# KiCad board led_mapper_850.kicad_pcb (continued)
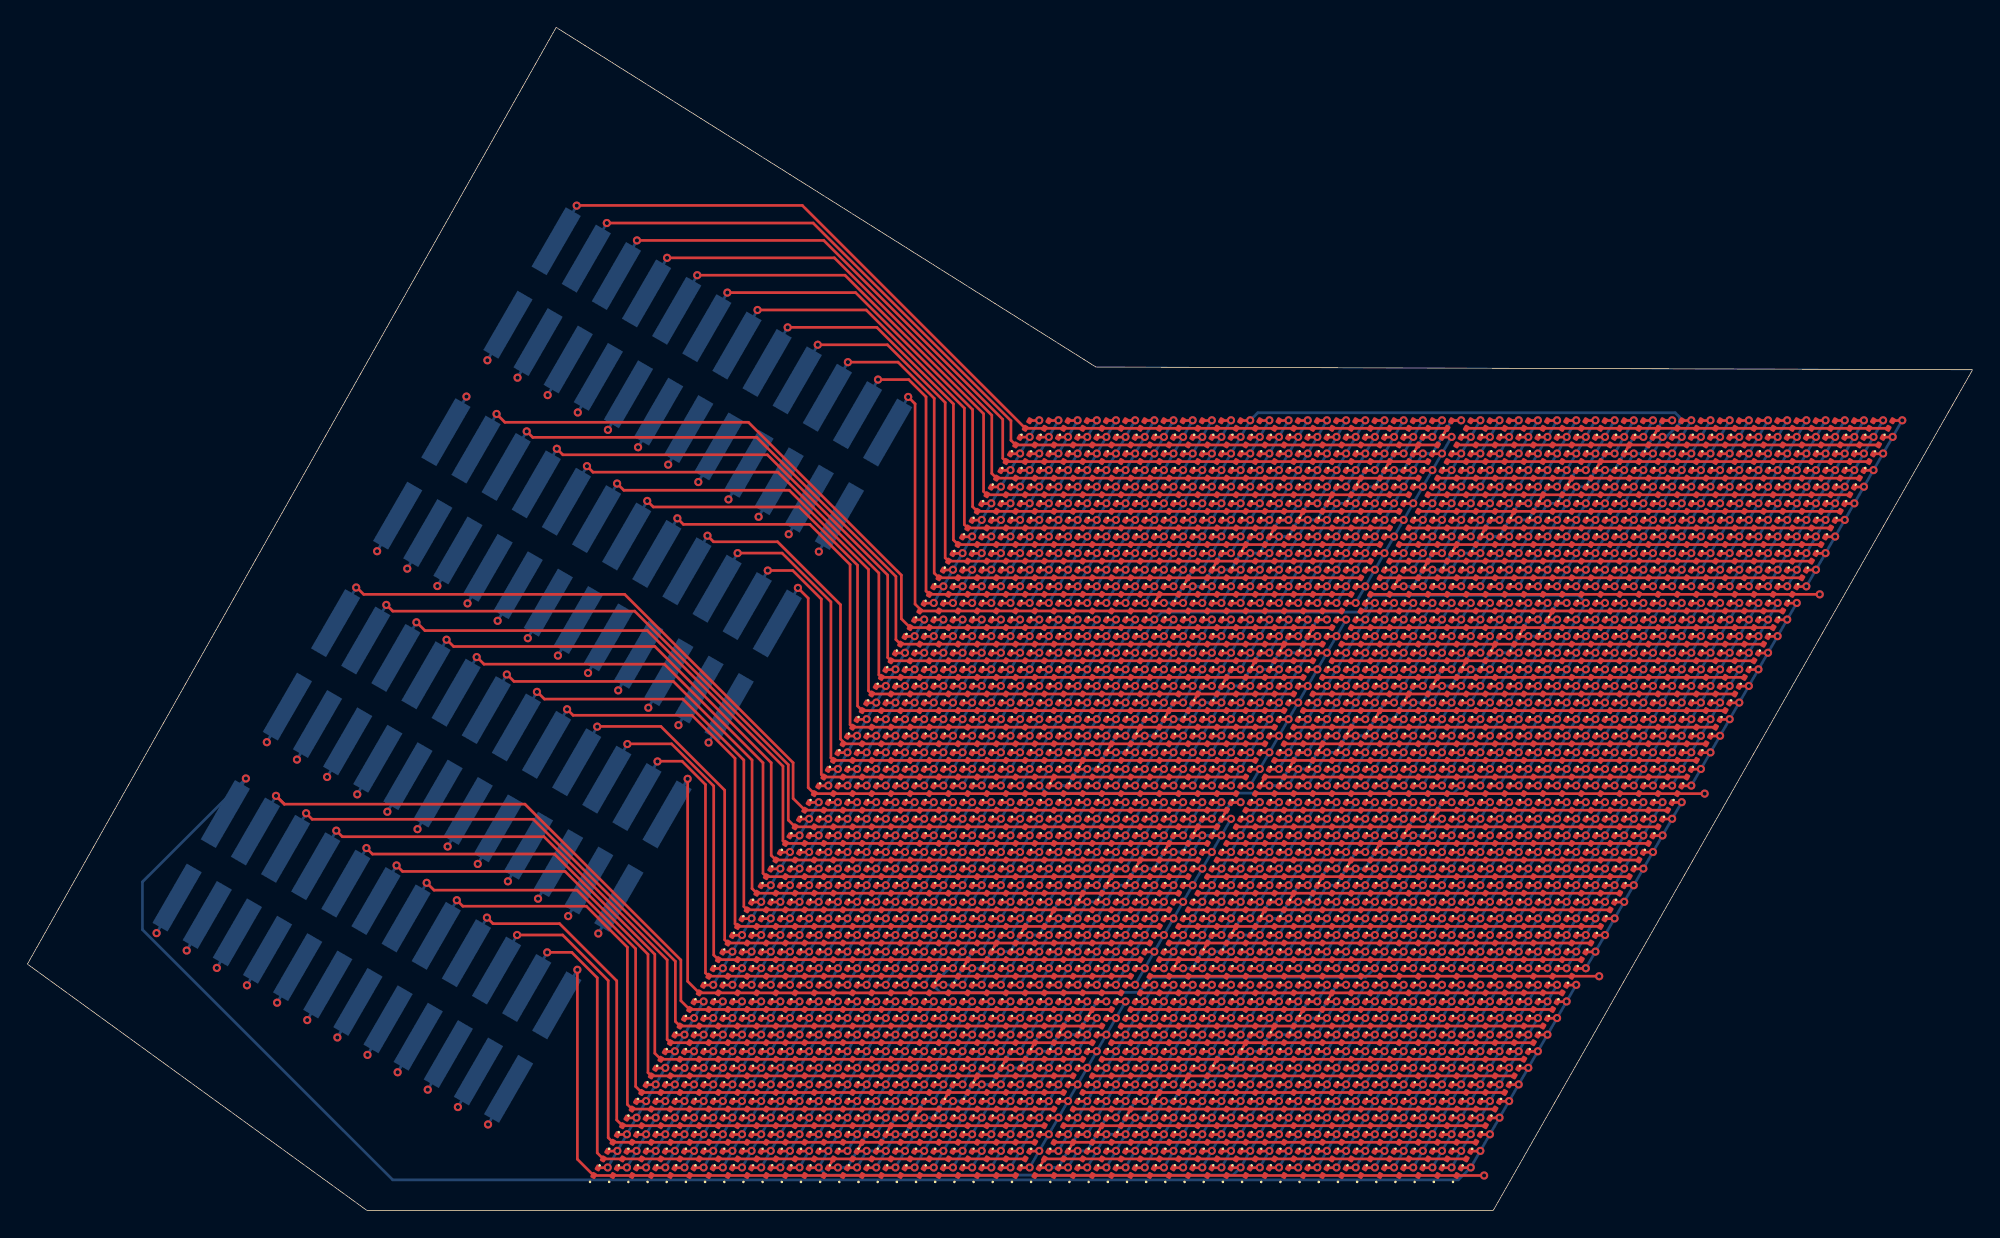
[diagram p0: board, top side]
## Nets (continued)
/network2/P16: D545.2 D567.2 D591.2 D613.2 D637.2 D659.2 D683.2 D705.2 D729.2 D751.2 D775.2 D797.2 D821.2 D843.2 D867.2 D889.2 D898.1 D899.1 D900.1 D901.1 D902.1 D903.1 D904.1 D905.1 D906.1 D907.1 D908.1 D909.1 D910.1 D911.1 D912.1 D913.1 D914.1 D915.1 D916.1 D917.1 D918.1 D919.1 D920.1 D935.2 D958.2 D981.2 D1004.2 D1027.2 D1050.2 J2.16
/network2/P17: D546.2 D568.2 D592.2 D614.2 D638.2 D660.2 D684.2 D706.2 D730.2 D752.2 D776.2 D798.2 D822.2 D844.2 D852.1 D853.1 D854.1 D855.1 D856.1 D857.1 D858.1 D859.1 D860.1 D861.1 D862.1 D863.1 D864.1 D865.1 D866.1 D867.1 D868.1 D869.1 D870.1 D871.1 D872.1 D873.1 D874.1 D890.2 D913.2 D936.2 D959.2 D982.2 D1005.2 D1028.2 D1051.2 J2.17
/network2/P18: D547.2 D569.2 D593.2 D615.2 D639.2 D661.2 D685.2 D707.2 D731.2 D753.2 D777.2 D799.2 D806.1 D807.1 D808.1 D809.1 D810.1 D811.1 D812.1 D813.1 D814.1 D815.1 D816.1 D817.1 D818.1 D819.1 D820.1 D821.1 D822.1 D823.1 D824.1 D825.1 D826.1 D827.1 D828.1 D845.2 D868.2 D891.2 D914.2 D937.2 D960.2 D983.2 D1006.2 D1029.2 D1052.2 J2.18
/network2/P19: D548.2 D570.2 D594.2 D616.2 D640.2 D662.2 D686.2 D708.2 D732.2 D754.2 D760.1 D761.1 D762.1 D763.1 D764.1 D765.1 D766.1 D767.1 D768.1 D769.1 D770.1 D771.1 D772.1 D773.1 D774.1 D775.1 D776.1 D777.1 D778.1 D779.1 D780.1 D781.1 D782.1 D800.2 D823.2 D846.2 D869.2 D892.2 D915.2 D938.2 D961.2 D984.2 D1007.2 D1030.2 D1053.2 J2.19
/network2/P20: D549.2 D571.2 D595.2 D617.2 D641.2 D663.2 D687.2 D709.2 D714.1 D715.1 D716.1 D717.1 D718.1 D719.1 D720.1 D721.1 D722.1 D723.1 D724.1 D725.1 D726.1 D727.1 D728.1 D729.1 D730.1 D731.1 D732.1 D733.1 D734.1 D735.1 D736.1 D755.2 D778.2 D801.2 D824.2 D847.2 D870.2 D893.2 D916.2 D939.2 D962.2 D985.2 D1008.2 D1031.2 D1054.2 J2.20
/network2/P21: D550.2 D572.2 D596.2 D618.2 D642.2 D664.2 D668.1 D669.1 D670.1 D671.1 D672.1 D673.1 D674.1 D675.1 D676.1 D677.1 D678.1 D679.1 D680.1 D681.1 D682.1 D683.1 D684.1 D685.1 D686.1 D687.1 D688.1 D689.1 D690.1 D710.2 D733.2 D756.2 D779.2 D802.2 D825.2 D848.2 D871.2 D894.2 D917.2 D940.2 D963.2 D986.2 D1009.2 D1032.2 D1055.2 J2.21
/network2/P22: D551.2 D573.2 D597.2 D619.2 D622.1 D623.1 D624.1 D625.1 D626.1 D627.1 D628.1 D629.1 D630.1 D631.1 D632.1 D633.1 D634.1 D635.1 D636.1 D637.1 D638.1 D639.1 D640.1 D641.1 D642.1 D643.1 D644.1 D665.2 D688.2 D711.2 D734.2 D757.2 D780.2 D803.2 D826.2 D849.2 D872.2 D895.2 D918.2 D941.2 D964.2 D987.2 D1010.2 D1033.2 D1056.2 J2.22
/network2/P23: D552.2 D574.2 D576.1 D577.1 D578.1 D579.1 D580.1 D581.1 D582.1 D583.1 D584.1 D585.1 D586.1 D587.1 D588.1 D589.1 D590.1 D591.1 D592.1 D593.1 D594.1 D595.1 D596.1 D597.1 D598.1 D620.2 D643.2 D666.2 D689.2 D712.2 D735.2 D758.2 D781.2 D804.2 D827.2 D850.2 D873.2 D896.2 D919.2 D942.2 D965.2 D988.2 D1011.2 D1034.2 D1057.2 J2.23
/network2/P24: D530.1 D531.1 D532.1 D533.1 D534.1 D535.1 D536.1 D537.1 D538.1 D539.1 D540.1 D541.1 D542.1 D543.1 D544.1 D545.1 D546.1 D547.1 D548.1 D549.1 D550.1 D551.1 D552.1 D575.2 D598.2 D621.2 D644.2 D667.2 D690.2 D713.2 D736.2 D759.2 D782.2 D805.2 D828.2 D851.2 D874.2 D897.2 D920.2 D943.2 D966.2 D989.2 D1012.2 D1035.2 D1058.2 J2.24
/network3/P01: D1059.2 D1082.2 D1105.2 D1128.2 D1151.2 D1174.2 D1197.2 D1220.2 D1243.2 D1266.2 D1289.2 D1312.2 D1335.2 D1358.2 D1381.2 D1404.2 D1427.2 D1450.2 D1473.2 D1496.2 D1519.2 D1542.2 D1565.2 J3.1
/network3/P02: D1060.2 D1083.2 D1106.2 D1129.2 D1152.2 D1175.2 D1198.2 D1221.2 D1244.2 D1267.2 D1290.2 D1313.2 D1336.2 D1359.2 D1382.2 D1405.2 D1428.2 D1451.2 D1474.2 D1497.2 D1520.2 D1542.1 D1543.1 D1544.1 D1545.1 D1546.1 D1547.1 D1548.1 D1549.1 D1550.1 D1551.1 D1552.1 D1553.1 D1554.1 D1555.1 D1556.1 D1557.1 D1558.1 D1559.1 D1560.1 D1561.1 D1562.1 D1563.1 D1564.1 D1566.2 J3.2
/network3/P03: D1061.2 D1084.2 D1107.2 D1130.2 D1153.2 D1176.2 D1199.2 D1222.2 D1245.2 D1268.2 D1291.2 D1314.2 D1337.2 D1360.2 D1383.2 D1406.2 D1429.2 D1452.2 D1475.2 D1496.1 D1497.1 D1498.1 D1499.1 D1500.1 D1501.1 D1502.1 D1503.1 D1504.1 D1505.1 D1506.1 D1507.1 D1508.1 D1509.1 D1510.1 D1511.1 D1512.1 D1513.1 D1514.1 D1515.1 D1516.1 D1517.1 D1518.1 D1521.2 D1543.2 D1567.2 J3.3
/network3/P04: D1062.2 D1085.2 D1108.2 D1131.2 D1154.2 D1177.2 D1200.2 D1223.2 D1246.2 D1269.2 D1292.2 D1315.2 D1338.2 D1361.2 D1384.2 D1407.2 D1430.2 D1450.1 D1451.1 D1452.1 D1453.1 D1454.1 D1455.1 D1456.1 D1457.1 D1458.1 D1459.1 D1460.1 D1461.1 D1462.1 D1463.1 D1464.1 D1465.1 D1466.1 D1467.1 D1468.1 D1469.1 D1470.1 D1471.1 D1472.1 D1476.2 D1498.2 D1522.2 D1544.2 D1568.2 J3.4
/network3/P05: D1063.2 D1086.2 D1109.2 D1132.2 D1155.2 D1178.2 D1201.2 D1224.2 D1247.2 D1270.2 D1293.2 D1316.2 D1339.2 D1362.2 D1385.2 D1404.1 D1405.1 D1406.1 D1407.1 D1408.1 D1409.1 D1410.1 D1411.1 D1412.1 D1413.1 D1414.1 D1415.1 D1416.1 D1417.1 D1418.1 D1419.1 D1420.1 D1421.1 D1422.1 D1423.1 D1424.1 D1425.1 D1426.1 D1431.2 D1453.2 D1477.2 D1499.2 D1523.2 D1545.2 D1569.2 J3.5
/network3/P06: D1064.2 D1087.2 D1110.2 D1133.2 D1156.2 D1179.2 D1202.2 D1225.2 D1248.2 D1271.2 D1294.2 D1317.2 D1340.2 D1358.1 D1359.1 D1360.1 D1361.1 D1362.1 D1363.1 D1364.1 D1365.1 D1366.1 D1367.1 D1368.1 D1369.1 D1370.1 D1371.1 D1372.1 D1373.1 D1374.1 D1375.1 D1376.1 D1377.1 D1378.1 D1379.1 D1380.1 D1386.2 D1408.2 D1432.2 D1454.2 D1478.2 D1500.2 D1524.2 D1546.2 D1570.2 J3.6
/network3/P07: D1065.2 D1088.2 D1111.2 D1134.2 D1157.2 D1180.2 D1203.2 D1226.2 D1249.2 D1272.2 D1295.2 D1312.1 D1313.1 D1314.1 D1315.1 D1316.1 D1317.1 D1318.1 D1319.1 D1320.1 D1321.1 D1322.1 D1323.1 D1324.1 D1325.1 D1326.1 D1327.1 D1328.1 D1329.1 D1330.1 D1331.1 D1332.1 D1333.1 D1334.1 D1341.2 D1363.2 D1387.2 D1409.2 D1433.2 D1455.2 D1479.2 D1501.2 D1525.2 D1547.2 D1571.2 J3.7
/network3/P08: D1066.2 D1089.2 D1112.2 D1135.2 D1158.2 D1181.2 D1204.2 D1227.2 D1250.2 D1266.1 D1267.1 D1268.1 D1269.1 D1270.1 D1271.1 D1272.1 D1273.1 D1274.1 D1275.1 D1276.1 D1277.1 D1278.1 D1279.1 D1280.1 D1281.1 D1282.1 D1283.1 D1284.1 D1285.1 D1286.1 D1287.1 D1288.1 D1296.2 D1318.2 D1342.2 D1364.2 D1388.2 D1410.2 D1434.2 D1456.2 D1480.2 D1502.2 D1526.2 D1548.2 D1572.2 J3.8
/network3/P09: D1067.2 D1090.2 D1113.2 D1136.2 D1159.2 D1182.2 D1205.2 D1220.1 D1221.1 D1222.1 D1223.1 D1224.1 D1225.1 D1226.1 D1227.1 D1228.1 D1229.1 D1230.1 D1231.1 D1232.1 D1233.1 D1234.1 D1235.1 D1236.1 D1237.1 D1238.1 D1239.1 D1240.1 D1241.1 D1242.1 D1251.2 D1273.2 D1297.2 D1319.2 D1343.2 D1365.2 D1389.2 D1411.2 D1435.2 D1457.2 D1481.2 D1503.2 D1527.2 D1549.2 D1573.2 J3.9
/network3/P10: D1068.2 D1091.2 D1114.2 D1137.2 D1160.2 D1174.1 D1175.1 D1176.1 D1177.1 D1178.1 D1179.1 D1180.1 D1181.1 D1182.1 D1183.1 D1184.1 D1185.1 D1186.1 D1187.1 D1188.1 D1189.1 D1190.1 D1191.1 D1192.1 D1193.1 D1194.1 D1195.1 D1196.1 D1206.2 D1228.2 D1252.2 D1274.2 D1298.2 D1320.2 D1344.2 D1366.2 D1390.2 D1412.2 D1436.2 D1458.2 D1482.2 D1504.2 D1528.2 D1550.2 D1574.2 J3.10
/network3/P11: D1069.2 D1092.2 D1115.2 D1128.1 D1129.1 D1130.1 D1131.1 D1132.1 D1133.1 D1134.1 D1135.1 D1136.1 D1137.1 D1138.1 D1139.1 D1140.1 D1141.1 D1142.1 D1143.1 D1144.1 D1145.1 D1146.1 D1147.1 D1148.1 D1149.1 D1150.1 D1161.2 D1183.2 D1207.2 D1229.2 D1253.2 D1275.2 D1299.2 D1321.2 D1345.2 D1367.2 D1391.2 D1413.2 D1437.2 D1459.2 D1483.2 D1505.2 D1529.2 D1551.2 D1575.2 J3.11
/network3/P12: D1070.2 D1082.1 D1083.1 D1084.1 D1085.1 D1086.1 D1087.1 D1088.1 D1089.1 D1090.1 D1091.1 D1092.1 D1093.1 D1094.1 D1095.1 D1096.1 D1097.1 D1098.1 D1099.1 D1100.1 D1101.1 D1102.1 D1103.1 D1104.1 D1116.2 D1138.2 D1162.2 D1184.2 D1208.2 D1230.2 D1254.2 D1276.2 D1300.2 D1322.2 D1346.2 D1368.2 D1392.2 D1414.2 D1438.2 D1460.2 D1484.2 D1506.2 D1530.2 D1552.2 D1576.2 J3.12
/network3/P13: D1071.2 D1093.2 D1117.2 D1139.2 D1163.2 D1185.2 D1209.2 D1231.2 D1255.2 D1277.2 D1301.2 D1323.2 D1347.2 D1369.2 D1393.2 D1415.2 D1439.2 D1461.2 D1485.2 D1507.2 D1531.2 D1553.2 D1565.1 D1566.1 D1567.1 D1568.1 D1569.1 D1570.1 D1571.1 D1572.1 D1573.1 D1574.1 D1575.1 D1576.1 D1577.1 D1578.1 D1579.1 D1580.1 D1581.1 D1582.1 D1583.1 D1584.1 D1585.1 D1586.1 D1587.1 J3.13
/network3/P14: D1072.2 D1094.2 D1118.2 D1140.2 D1164.2 D1186.2 D1210.2 D1232.2 D1256.2 D1278.2 D1302.2 D1324.2 D1348.2 D1370.2 D1394.2 D1416.2 D1440.2 D1462.2 D1486.2 D1508.2 D1519.1 D1520.1 D1521.1 D1522.1 D1523.1 D1524.1 D1525.1 D1526.1 D1527.1 D1528.1 D1529.1 D1530.1 D1531.1 D1532.1 D1533.1 D1534.1 D1535.1 D1536.1 D1537.1 D1538.1 D1539.1 D1540.1 D1541.1 D1554.2 D1577.2 J3.14
/network3/P15: D1073.2 D1095.2 D1119.2 D1141.2 D1165.2 D1187.2 D1211.2 D1233.2 D1257.2 D1279.2 D1303.2 D1325.2 D1349.2 D1371.2 D1395.2 D1417.2 D1441.2 D1463.2 D1473.1 D1474.1 D1475.1 D1476.1 D1477.1 D1478.1 D1479.1 D1480.1 D1481.1 D1482.1 D1483.1 D1484.1 D1485.1 D1486.1 D1487.1 D1488.1 D1489.1 D1490.1 D1491.1 D1492.1 D1493.1 D1494.1 D1495.1 D1509.2 D1532.2 D1555.2 D1578.2 J3.15
/network3/P16: D1074.2 D1096.2 D1120.2 D1142.2 D1166.2 D1188.2 D1212.2 D1234.2 D1258.2 D1280.2 D1304.2 D1326.2 D1350.2 D1372.2 D1396.2 D1418.2 D1427.1 D1428.1 D1429.1 D1430.1 D1431.1 D1432.1 D1433.1 D1434.1 D1435.1 D1436.1 D1437.1 D1438.1 D1439.1 D1440.1 D1441.1 D1442.1 D1443.1 D1444.1 D1445.1 D1446.1 D1447.1 D1448.1 D1449.1 D1464.2 D1487.2 D1510.2 D1533.2 D1556.2 D1579.2 J3.16
/network3/P17: D1075.2 D1097.2 D1121.2 D1143.2 D1167.2 D1189.2 D1213.2 D1235.2 D1259.2 D1281.2 D1305.2 D1327.2 D1351.2 D1373.2 D1381.1 D1382.1 D1383.1 D1384.1 D1385.1 D1386.1 D1387.1 D1388.1 D1389.1 D1390.1 D1391.1 D1392.1 D1393.1 D1394.1 D1395.1 D1396.1 D1397.1 D1398.1 D1399.1 D1400.1 D1401.1 D1402.1 D1403.1 D1419.2 D1442.2 D1465.2 D1488.2 D1511.2 D1534.2 D1557.2 D1580.2 J3.17
/network3/P18: D1076.2 D1098.2 D1122.2 D1144.2 D1168.2 D1190.2 D1214.2 D1236.2 D1260.2 D1282.2 D1306.2 D1328.2 D1335.1 D1336.1 D1337.1 D1338.1 D1339.1 D1340.1 D1341.1 D1342.1 D1343.1 D1344.1 D1345.1 D1346.1 D1347.1 D1348.1 D1349.1 D1350.1 D1351.1 D1352.1 D1353.1 D1354.1 D1355.1 D1356.1 D1357.1 D1374.2 D1397.2 D1420.2 D1443.2 D1466.2 D1489.2 D1512.2 D1535.2 D1558.2 D1581.2 J3.18
/network3/P19: D1077.2 D1099.2 D1123.2 D1145.2 D1169.2 D1191.2 D1215.2 D1237.2 D1261.2 D1283.2 D1289.1 D1290.1 D1291.1 D1292.1 D1293.1 D1294.1 D1295.1 D1296.1 D1297.1 D1298.1 D1299.1 D1300.1 D1301.1 D1302.1 D1303.1 D1304.1 D1305.1 D1306.1 D1307.1 D1308.1 D1309.1 D1310.1 D1311.1 D1329.2 D1352.2 D1375.2 D1398.2 D1421.2 D1444.2 D1467.2 D1490.2 D1513.2 D1536.2 D1559.2 D1582.2 J3.19
/network3/P20: D1078.2 D1100.2 D1124.2 D1146.2 D1170.2 D1192.2 D1216.2 D1238.2 D1243.1 D1244.1 D1245.1 D1246.1 D1247.1 D1248.1 D1249.1 D1250.1 D1251.1 D1252.1 D1253.1 D1254.1 D1255.1 D1256.1 D1257.1 D1258.1 D1259.1 D1260.1 D1261.1 D1262.1 D1263.1 D1264.1 D1265.1 D1284.2 D1307.2 D1330.2 D1353.2 D1376.2 D1399.2 D1422.2 D1445.2 D1468.2 D1491.2 D1514.2 D1537.2 D1560.2 D1583.2 J3.20
/network3/P21: D1079.2 D1101.2 D1125.2 D1147.2 D1171.2 D1193.2 D1197.1 D1198.1 D1199.1 D1200.1 D1201.1 D1202.1 D1203.1 D1204.1 D1205.1 D1206.1 D1207.1 D1208.1 D1209.1 D1210.1 D1211.1 D1212.1 D1213.1 D1214.1 D1215.1 D1216.1 D1217.1 D1218.1 D1219.1 D1239.2 D1262.2 D1285.2 D1308.2 D1331.2 D1354.2 D1377.2 D1400.2 D1423.2 D1446.2 D1469.2 D1492.2 D1515.2 D1538.2 D1561.2 D1584.2 J3.21
/network3/P22: D1080.2 D1102.2 D1126.2 D1148.2 D1151.1 D1152.1 D1153.1 D1154.1 D1155.1 D1156.1 D1157.1 D1158.1 D1159.1 D1160.1 D1161.1 D1162.1 D1163.1 D1164.1 D1165.1 D1166.1 D1167.1 D1168.1 D1169.1 D1170.1 D1171.1 D1172.1 D1173.1 D1194.2 D1217.2 D1240.2 D1263.2 D1286.2 D1309.2 D1332.2 D1355.2 D1378.2 D1401.2 D1424.2 D1447.2 D1470.2 D1493.2 D1516.2 D1539.2 D1562.2 D1585.2 J3.22
/network3/P23: D1081.2 D1103.2 D1105.1 D1106.1 D1107.1 D1108.1 D1109.1 D1110.1 D1111.1 D1112.1 D1113.1 D1114.1 D1115.1 D1116.1 D1117.1 D1118.1 D1119.1 D1120.1 D1121.1 D1122.1 D1123.1 D1124.1 D1125.1 D1126.1 D1127.1 D1149.2 D1172.2 D1195.2 D1218.2 D1241.2 D1264.2 D1287.2 D1310.2 D1333.2 D1356.2 D1379.2 D1402.2 D1425.2 D1448.2 D1471.2 D1494.2 D1517.2 D1540.2 D1563.2 D1586.2 J3.23
/network3/P24: D1059.1 D1060.1 D1061.1 D1062.1 D1063.1 D1064.1 D1065.1 D1066.1 D1067.1 D1068.1 D1069.1 D1070.1 D1071.1 D1072.1 D1073.1 D1074.1 D1075.1 D1076.1 D1077.1 D1078.1 D1079.1 D1080.1 D1081.1 D1104.2 D1127.2 D1150.2 D1173.2 D1196.2 D1219.2 D1242.2 D1265.2 D1288.2 D1311.2 D1334.2 D1357.2 D1380.2 D1403.2 D1426.2 D1449.2 D1472.2 D1495.2 D1518.2 D1541.2 D1564.2 D1587.2 J3.24
/network4/P01: D1588.2 D1611.2 D1634.2 D1657.2 D1680.2 D1703.2 D1726.2 D1749.2 D1772.2 D1795.2 D1818.2 D1841.2 D1864.2 D1887.2 D1910.2 D1933.2 D1956.2 D1979.2 D2002.2 D2025.2 D2048.2 D2071.2 D2094.2 J4.1
/network4/P02: D1589.2 D1612.2 D1635.2 D1658.2 D1681.2 D1704.2 D1727.2 D1750.2 D1773.2 D1796.2 D1819.2 D1842.2 D1865.2 D1888.2 D1911.2 D1934.2 D1957.2 D1980.2 D2003.2 D2026.2 D2049.2 D2071.1 D2072.1 D2073.1 D2074.1 D2075.1 D2076.1 D2077.1 D2078.1 D2079.1 D2080.1 D2081.1 D2082.1 D2083.1 D2084.1 D2085.1 D2086.1 D2087.1 D2088.1 D2089.1 D2090.1 D2091.1 D2092.1 D2093.1 D2095.2 J4.2
/network4/P03: D1590.2 D1613.2 D1636.2 D1659.2 D1682.2 D1705.2 D1728.2 D1751.2 D1774.2 D1797.2 D1820.2 D1843.2 D1866.2 D1889.2 D1912.2 D1935.2 D1958.2 D1981.2 D2004.2 D2025.1 D2026.1 D2027.1 D2028.1 D2029.1 D2030.1 D2031.1 D2032.1 D2033.1 D2034.1 D2035.1 D2036.1 D2037.1 D2038.1 D2039.1 D2040.1 D2041.1 D2042.1 D2043.1 D2044.1 D2045.1 D2046.1 D2047.1 D2050.2 D2072.2 D2096.2 J4.3
/network4/P04: D1591.2 D1614.2 D1637.2 D1660.2 D1683.2 D1706.2 D1729.2 D1752.2 D1775.2 D1798.2 D1821.2 D1844.2 D1867.2 D1890.2 D1913.2 D1936.2 D1959.2 D1979.1 D1980.1 D1981.1 D1982.1 D1983.1 D1984.1 D1985.1 D1986.1 D1987.1 D1988.1 D1989.1 D1990.1 D1991.1 D1992.1 D1993.1 D1994.1 D1995.1 D1996.1 D1997.1 D1998.1 D1999.1 D2000.1 D2001.1 D2005.2 D2027.2 D2051.2 D2073.2 D2097.2 J4.4
/network4/P05: D1592.2 D1615.2 D1638.2 D1661.2 D1684.2 D1707.2 D1730.2 D1753.2 D1776.2 D1799.2 D1822.2 D1845.2 D1868.2 D1891.2 D1914.2 D1933.1 D1934.1 D1935.1 D1936.1 D1937.1 D1938.1 D1939.1 D1940.1 D1941.1 D1942.1 D1943.1 D1944.1 D1945.1 D1946.1 D1947.1 D1948.1 D1949.1 D1950.1 D1951.1 D1952.1 D1953.1 D1954.1 D1955.1 D1960.2 D1982.2 D2006.2 D2028.2 D2052.2 D2074.2 D2098.2 J4.5
/network4/P06: D1593.2 D1616.2 D1639.2 D1662.2 D1685.2 D1708.2 D1731.2 D1754.2 D1777.2 D1800.2 D1823.2 D1846.2 D1869.2 D1887.1 D1888.1 D1889.1 D1890.1 D1891.1 D1892.1 D1893.1 D1894.1 D1895.1 D1896.1 D1897.1 D1898.1 D1899.1 D1900.1 D1901.1 D1902.1 D1903.1 D1904.1 D1905.1 D1906.1 D1907.1 D1908.1 D1909.1 D1915.2 D1937.2 D1961.2 D1983.2 D2007.2 D2029.2 D2053.2 D2075.2 D2099.2 J4.6
/network4/P07: D1594.2 D1617.2 D1640.2 D1663.2 D1686.2 D1709.2 D1732.2 D1755.2 D1778.2 D1801.2 D1824.2 D1841.1 D1842.1 D1843.1 D1844.1 D1845.1 D1846.1 D1847.1 D1848.1 D1849.1 D1850.1 D1851.1 D1852.1 D1853.1 D1854.1 D1855.1 D1856.1 D1857.1 D1858.1 D1859.1 D1860.1 D1861.1 D1862.1 D1863.1 D1870.2 D1892.2 D1916.2 D1938.2 D1962.2 D1984.2 D2008.2 D2030.2 D2054.2 D2076.2 D2100.2 J4.7
/network4/P08: D1595.2 D1618.2 D1641.2 D1664.2 D1687.2 D1710.2 D1733.2 D1756.2 D1779.2 D1795.1 D1796.1 D1797.1 D1798.1 D1799.1 D1800.1 D1801.1 D1802.1 D1803.1 D1804.1 D1805.1 D1806.1 D1807.1 D1808.1 D1809.1 D1810.1 D1811.1 D1812.1 D1813.1 D1814.1 D1815.1 D1816.1 D1817.1 D1825.2 D1847.2 D1871.2 D1893.2 D1917.2 D1939.2 D1963.2 D1985.2 D2009.2 D2031.2 D2055.2 D2077.2 D2101.2 J4.8
/network4/P09: D1596.2 D1619.2 D1642.2 D1665.2 D1688.2 D1711.2 D1734.2 D1749.1 D1750.1 D1751.1 D1752.1 D1753.1 D1754.1 D1755.1 D1756.1 D1757.1 D1758.1 D1759.1 D1760.1 D1761.1 D1762.1 D1763.1 D1764.1 D1765.1 D1766.1 D1767.1 D1768.1 D1769.1 D1770.1 D1771.1 D1780.2 D1802.2 D1826.2 D1848.2 D1872.2 D1894.2 D1918.2 D1940.2 D1964.2 D1986.2 D2010.2 D2032.2 D2056.2 D2078.2 D2102.2 J4.9
/network4/P10: D1597.2 D1620.2 D1643.2 D1666.2 D1689.2 D1703.1 D1704.1 D1705.1 D1706.1 D1707.1 D1708.1 D1709.1 D1710.1 D1711.1 D1712.1 D1713.1 D1714.1 D1715.1 D1716.1 D1717.1 D1718.1 D1719.1 D1720.1 D1721.1 D1722.1 D1723.1 D1724.1 D1725.1 D1735.2 D1757.2 D1781.2 D1803.2 D1827.2 D1849.2 D1873.2 D1895.2 D1919.2 D1941.2 D1965.2 D1987.2 D2011.2 D2033.2 D2057.2 D2079.2 D2103.2 J4.10
/network4/P11: D1598.2 D1621.2 D1644.2 D1657.1 D1658.1 D1659.1 D1660.1 D1661.1 D1662.1 D1663.1 D1664.1 D1665.1 D1666.1 D1667.1 D1668.1 D1669.1 D1670.1 D1671.1 D1672.1 D1673.1 D1674.1 D1675.1 D1676.1 D1677.1 D1678.1 D1679.1 D1690.2 D1712.2 D1736.2 D1758.2 D1782.2 D1804.2 D1828.2 D1850.2 D1874.2 D1896.2 D1920.2 D1942.2 D1966.2 D1988.2 D2012.2 D2034.2 D2058.2 D2080.2 D2104.2 J4.11
/network4/P12: D1599.2 D1611.1 D1612.1 D1613.1 D1614.1 D1615.1 D1616.1 D1617.1 D1618.1 D1619.1 D1620.1 D1621.1 D1622.1 D1623.1 D1624.1 D1625.1 D1626.1 D1627.1 D1628.1 D1629.1 D1630.1 D1631.1 D1632.1 D1633.1 D1645.2 D1667.2 D1691.2 D1713.2 D1737.2 D1759.2 D1783.2 D1805.2 D1829.2 D1851.2 D1875.2 D1897.2 D1921.2 D1943.2 D1967.2 D1989.2 D2013.2 D2035.2 D2059.2 D2081.2 D2105.2 J4.12
/network4/P13: D1600.2 D1622.2 D1646.2 D1668.2 D1692.2 D1714.2 D1738.2 D1760.2 D1784.2 D1806.2 D1830.2 D1852.2 D1876.2 D1898.2 D1922.2 D1944.2 D1968.2 D1990.2 D2014.2 D2036.2 D2060.2 D2082.2 D2094.1 D2095.1 D2096.1 D2097.1 D2098.1 D2099.1 D2100.1 D2101.1 D2102.1 D2103.1 D2104.1 D2105.1 D2106.1 D2107.1 D2108.1 D2109.1 D2110.1 D2111.1 D2112.1 D2113.1 D2114.1 D2115.1 D2116.1 J4.13
/network4/P14: D1601.2 D1623.2 D1647.2 D1669.2 D1693.2 D1715.2 D1739.2 D1761.2 D1785.2 D1807.2 D1831.2 D1853.2 D1877.2 D1899.2 D1923.2 D1945.2 D1969.2 D1991.2 D2015.2 D2037.2 D2048.1 D2049.1 D2050.1 D2051.1 D2052.1 D2053.1 D2054.1 D2055.1 D2056.1 D2057.1 D2058.1 D2059.1 D2060.1 D2061.1 D2062.1 D2063.1 D2064.1 D2065.1 D2066.1 D2067.1 D2068.1 D2069.1 D2070.1 D2083.2 D2106.2 J4.14
/network4/P15: D1602.2 D1624.2 D1648.2 D1670.2 D1694.2 D1716.2 D1740.2 D1762.2 D1786.2 D1808.2 D1832.2 D1854.2 D1878.2 D1900.2 D1924.2 D1946.2 D1970.2 D1992.2 D2002.1 D2003.1 D2004.1 D2005.1 D2006.1 D2007.1 D2008.1 D2009.1 D2010.1 D2011.1 D2012.1 D2013.1 D2014.1 D2015.1 D2016.1 D2017.1 D2018.1 D2019.1 D2020.1 D2021.1 D2022.1 D2023.1 D2024.1 D2038.2 D2061.2 D2084.2 D2107.2 J4.15
/network4/P16: D1603.2 D1625.2 D1649.2 D1671.2 D1695.2 D1717.2 D1741.2 D1763.2 D1787.2 D1809.2 D1833.2 D1855.2 D1879.2 D1901.2 D1925.2 D1947.2 D1956.1 D1957.1 D1958.1 D1959.1 D1960.1 D1961.1 D1962.1 D1963.1 D1964.1 D1965.1 D1966.1 D1967.1 D1968.1 D1969.1 D1970.1 D1971.1 D1972.1 D1973.1 D1974.1 D1975.1 D1976.1 D1977.1 D1978.1 D1993.2 D2016.2 D2039.2 D2062.2 D2085.2 D2108.2 J4.16
/network4/P17: D1604.2 D1626.2 D1650.2 D1672.2 D1696.2 D1718.2 D1742.2 D1764.2 D1788.2 D1810.2 D1834.2 D1856.2 D1880.2 D1902.2 D1910.1 D1911.1 D1912.1 D1913.1 D1914.1 D1915.1 D1916.1 D1917.1 D1918.1 D1919.1 D1920.1 D1921.1 D1922.1 D1923.1 D1924.1 D1925.1 D1926.1 D1927.1 D1928.1 D1929.1 D1930.1 D1931.1 D1932.1 D1948.2 D1971.2 D1994.2 D2017.2 D2040.2 D2063.2 D2086.2 D2109.2 J4.17
/network4/P18: D1605.2 D1627.2 D1651.2 D1673.2 D1697.2 D1719.2 D1743.2 D1765.2 D1789.2 D1811.2 D1835.2 D1857.2 D1864.1 D1865.1 D1866.1 D1867.1 D1868.1 D1869.1 D1870.1 D1871.1 D1872.1 D1873.1 D1874.1 D1875.1 D1876.1 D1877.1 D1878.1 D1879.1 D1880.1 D1881.1 D1882.1 D1883.1 D1884.1 D1885.1 D1886.1 D1903.2 D1926.2 D1949.2 D1972.2 D1995.2 D2018.2 D2041.2 D2064.2 D2087.2 D2110.2 J4.18
/network4/P19: D1606.2 D1628.2 D1652.2 D1674.2 D1698.2 D1720.2 D1744.2 D1766.2 D1790.2 D1812.2 D1818.1 D1819.1 D1820.1 D1821.1 D1822.1 D1823.1 D1824.1 D1825.1 D1826.1 D1827.1 D1828.1 D1829.1 D1830.1 D1831.1 D1832.1 D1833.1 D1834.1 D1835.1 D1836.1 D1837.1 D1838.1 D1839.1 D1840.1 D1858.2 D1881.2 D1904.2 D1927.2 D1950.2 D1973.2 D1996.2 D2019.2 D2042.2 D2065.2 D2088.2 D2111.2 J4.19
/network4/P20: D1607.2 D1629.2 D1653.2 D1675.2 D1699.2 D1721.2 D1745.2 D1767.2 D1772.1 D1773.1 D1774.1 D1775.1 D1776.1 D1777.1 D1778.1 D1779.1 D1780.1 D1781.1 D1782.1 D1783.1 D1784.1 D1785.1 D1786.1 D1787.1 D1788.1 D1789.1 D1790.1 D1791.1 D1792.1 D1793.1 D1794.1 D1813.2 D1836.2 D1859.2 D1882.2 D1905.2 D1928.2 D1951.2 D1974.2 D1997.2 D2020.2 D2043.2 D2066.2 D2089.2 D2112.2 J4.20
/network4/P21: D1608.2 D1630.2 D1654.2 D1676.2 D1700.2 D1722.2 D1726.1 D1727.1 D1728.1 D1729.1 D1730.1 D1731.1 D1732.1 D1733.1 D1734.1 D1735.1 D1736.1 D1737.1 D1738.1 D1739.1 D1740.1 D1741.1 D1742.1 D1743.1 D1744.1 D1745.1 D1746.1 D1747.1 D1748.1 D1768.2 D1791.2 D1814.2 D1837.2 D1860.2 D1883.2 D1906.2 D1929.2 D1952.2 D1975.2 D1998.2 D2021.2 D2044.2 D2067.2 D2090.2 D2113.2 J4.21
/network4/P22: D1609.2 D1631.2 D1655.2 D1677.2 D1680.1 D1681.1 D1682.1 D1683.1 D1684.1 D1685.1 D1686.1 D1687.1 D1688.1 D1689.1 D1690.1 D1691.1 D1692.1 D1693.1 D1694.1 D1695.1 D1696.1 D1697.1 D1698.1 D1699.1 D1700.1 D1701.1 D1702.1 D1723.2 D1746.2 D1769.2 D1792.2 D1815.2 D1838.2 D1861.2 D1884.2 D1907.2 D1930.2 D1953.2 D1976.2 D1999.2 D2022.2 D2045.2 D2068.2 D2091.2 D2114.2 J4.22
/network4/P23: D1610.2 D1632.2 D1634.1 D1635.1 D1636.1 D1637.1 D1638.1 D1639.1 D1640.1 D1641.1 D1642.1 D1643.1 D1644.1 D1645.1 D1646.1 D1647.1 D1648.1 D1649.1 D1650.1 D1651.1 D1652.1 D1653.1 D1654.1 D1655.1 D1656.1 D1678.2 D1701.2 D1724.2 D1747.2 D1770.2 D1793.2 D1816.2 D1839.2 D1862.2 D1885.2 D1908.2 D1931.2 D1954.2 D1977.2 D2000.2 D2023.2 D2046.2 D2069.2 D2092.2 D2115.2 J4.23
/network4/P24: D1588.1 D1589.1 D1590.1 D1591.1 D1592.1 D1593.1 D1594.1 D1595.1 D1596.1 D1597.1 D1598.1 D1599.1 D1600.1 D1601.1 D1602.1 D1603.1 D1604.1 D1605.1 D1606.1 D1607.1 D1608.1 D1609.1 D1610.1 D1633.2 D1656.2 D1679.2 D1702.2 D1725.2 D1748.2 D1771.2 D1794.2 D1817.2 D1840.2 D1863.2 D1886.2 D1909.2 D1932.2 D1955.2 D1978.2 D2001.2 D2024.2 D2047.2 D2070.2 D2093.2 D2116.2 J4.24

## Via types
v1: diameter 0.6, hole 0.3, Top to Bottom, 2216 vias

## Routing (per net, layer and track width the routed paths; a pad name or vN(x,y) marks a point on that pad's centre or on a via; arc(x,y) is an arc through that point)
/network1/P01: length 91.5
  Top w0.2: D461.2 v1(66.86,45.58) ; D484.2 v1(99.06,45.58) ; D231.2 v1(70.36,51.65) ; D346.2 v1(101.16,49.22) ; D208.2 v1(103.26,52.86) ; D323.2 v1(68.96,49.22) ; D1.2 v1(73.86,57.71) ; D277.2 v1(69.66,50.43) ; D70.2 v1(105.36,56.5) ; D300.2 v1(101.86,50.43) ; D139.2 v1(71.76,54.07) ; D93.2 v1(72.46,55.28) ; D162.2 v1(103.96,54.07) ; D392.2 v1(100.46,48.01) ; D185.2 v1(71.06,52.86) ; D507.2 v1(66.16,44.37) ; D438.2 v1(99.76,46.8) ; D369.2 v1(68.26,48.01) ; D47.2 v1(73.16,56.5) ; D254.2 v1(102.56,51.65) ; D24.2 v1(106.06,57.71) ; D116.2 v1(104.66,55.28) ; D415.2 v1(67.56,46.8)
  In1.Cu w0.2: v1(57.78,48.12) 62.42,48.12 v1(66.16,44.37) ; v1(106.06,57.71) 105.71,58.32 74.21,58.32 v1(73.86,57.71)
  Bottom w0.2: v1(73.86,57.71) v1(66.16,44.37) ; v1(106.06,57.71) v1(99.06,45.58) ; J1.1 v1(57.78,48.12)
/network1/P02: length 162.9
  Top w0.2: D117.2 v1(106.06,55.28) ; D209.2 v1(104.66,52.86) ; D370.2 v1(69.66,48.01) ; D25.2 v1(107.46,57.71) ; D484.1 D506.1 v1(130.84,45) ; D439.2 v1(101.16,46.8) ; D163.2 v1(105.36,54.07) ; D71.2 v1(106.76,56.5) ; D186.2 v1(72.46,52.86) ; D416.2 v1(68.96,46.8) ; D2.2 v1(75.26,57.71) ; D255.2 v1(103.96,51.65) ; D232.2 v1(71.76,51.65) ; D462.2 v1(68.26,45.58) ; D393.2 v1(101.86,48.01) ; D324.2 v1(70.36,49.22) ; D48.2 v1(74.56,56.5) ; D301.2 v1(103.26,50.43) ; D94.2 v1(73.86,55.28) ; D140.2 v1(73.16,54.07) ; D508.2 v1(67.56,44.37) ; D347.2 v1(102.56,49.22) ; D278.2 v1(71.06,50.43)
  In1.Cu w0.2: v1(106.76,56.5) 106.41,57.1 74.91,57.1 v1(74.56,56.5) ; v1(67.56,44.37) 67.3,44.37 62.28,49.39 v1(55.58,49.39) ; v1(107.46,57.71) 108.13,57.05 129.39,57.05 129.71,56.72 129.71,56.49 130.41,55.79 130.41,55.06 129.8,54.44 129.8,53.7 130.41,53.09 130.41,52.63 130,52.22 130,51.08 130.6,50.48 130.6,50.2 130.01,49.61 130.01,48.99 130.53,48.48 130.53,47.6 130.01,47.08 130.01,46.57 130.84,45.74 v1(130.84,45)
  Bottom w0.2: v1(75.26,57.71) v1(67.56,44.37) ; v1(107.46,57.71) v1(101.16,46.8) ; J1.2 v1(55.58,49.39)
/network1/P03: length 132.2
  Top w0.2: D164.2 v1(106.76,54.07) ; D3.2 v1(76.66,57.71) ; D279.2 v1(72.46,50.43) ; D187.2 v1(73.86,52.86) ; D348.2 v1(103.96,49.22) ; D417.2 v1(70.36,46.8) ; D256.2 v1(105.36,51.65) ; D302.2 v1(104.66,50.43) ; v1(100.46,45.58) D485.2 D439.1 ; D394.2 v1(103.26,48.01) ; D325.2 v1(71.76,49.22) ; D233.2 v1(73.16,51.65) ; D141.2 v1(74.56,54.07) ; D438.1 D460.1 ; D210.2 v1(106.06,52.86) ; D463.2 v1(69.66,45.58) ; D118.2 v1(107.46,55.28) ; D509.2 v1(68.96,44.37) ; D26.2 v1(108.86,57.71) ; D72.2 v1(108.16,56.5) ; D371.2 v1(71.06,48.01) ; D49.2 v1(75.96,56.5) ; D95.2 v1(75.26,55.28)
  In1.Cu w0.2: v1(53.38,50.66) 62.57,50.66 67.41,45.81 67.41,45.36 68.4,44.37 v1(68.96,44.37) ; v1(75.26,55.28) 75.61,55.89 107.11,55.89 v1(107.46,55.28)
  Bottom w0.2: v1(100.46,45.58) 101.16,45.58 102.56,48.01 v1(103.26,48.01) v1(108.86,57.71) ; v1(76.66,57.71) v1(68.96,44.37) ; J1.3 v1(53.38,50.66)
/network1/P04: length 136.7
  Top w0.2: D326.2 v1(73.16,49.22) ; D50.2 v1(77.36,56.5) ; D27.2 v1(110.26,57.71) ; D4.2 v1(78.06,57.71) ; D165.2 v1(108.16,54.07) ; D392.1 D414.1 ; D372.2 v1(72.46,48.01) ; D394.1 D440.2 v1(102.56,46.8) ; D96.2 v1(76.66,55.28) ; D257.2 v1(106.76,51.65) ; D234.2 v1(74.56,51.65) ; D142.2 v1(75.96,54.07) ; D73.2 v1(109.56,56.5) ; D464.2 v1(71.06,45.58) ; D303.2 v1(106.06,50.43) ; D418.2 v1(71.76,46.8) ; D211.2 v1(107.46,52.86) ; D119.2 v1(108.86,55.28) ; D349.2 v1(105.36,49.22) ; D188.2 v1(75.26,52.86) ; D280.2 v1(73.86,50.43) ; D486.2 v1(101.86,45.58) ; D510.2 v1(70.36,44.37)
  In1.Cu w0.2: v1(70.36,44.37) 69.8,44.37 68.81,45.36 68.81,45.87 68.11,46.57 68.11,47.03 63.21,51.93 v1(51.18,51.93) ; v1(108.16,54.07) 107.81,54.68 76.31,54.68 v1(75.96,54.07)
  Bottom w0.2: v1(110.26,57.71) v1(105.36,49.22) 104.66,49.22 103.26,46.8 v1(102.56,46.8) v1(101.86,45.58) ; J1.4 v1(51.18,51.93) ; v1(78.06,57.71) v1(70.36,44.37)
